# Altium PCB PCB2.PcbDoc
Units mil, origin at the board's own origin, x right, y up, seen from the top; angles counter-clockwise.
Board outline 3950 x 3950 mil, 4 copper layers (Component Side, Ground Plane, Power Plane, Solder Side), stack 33.234 mil thick; 80 components, 38 nets, 190 pads, 0 vias.
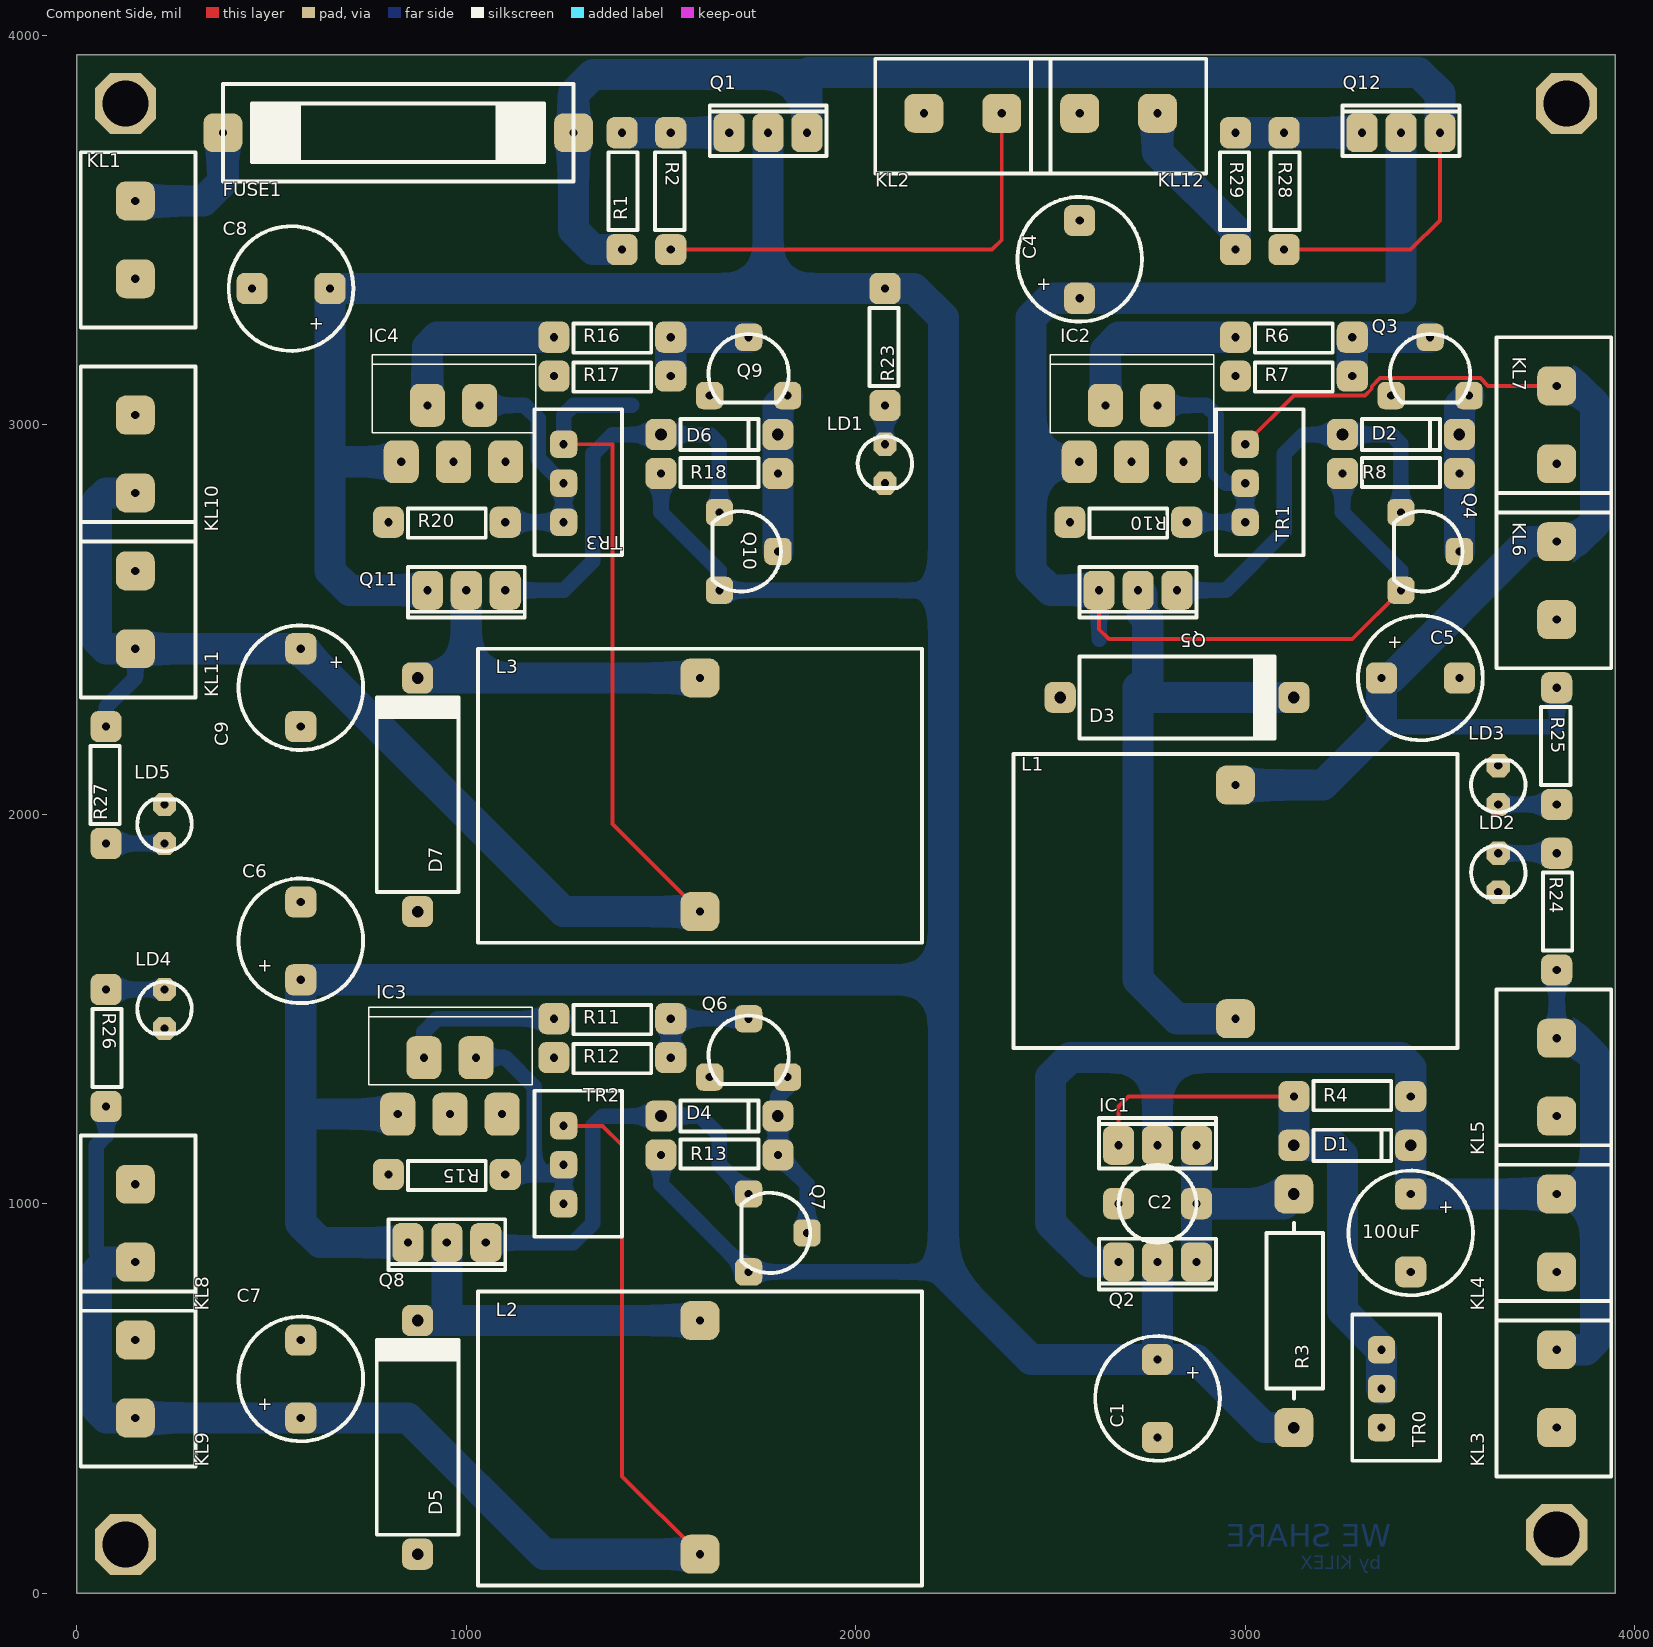
[diagram p0: Component Side view]
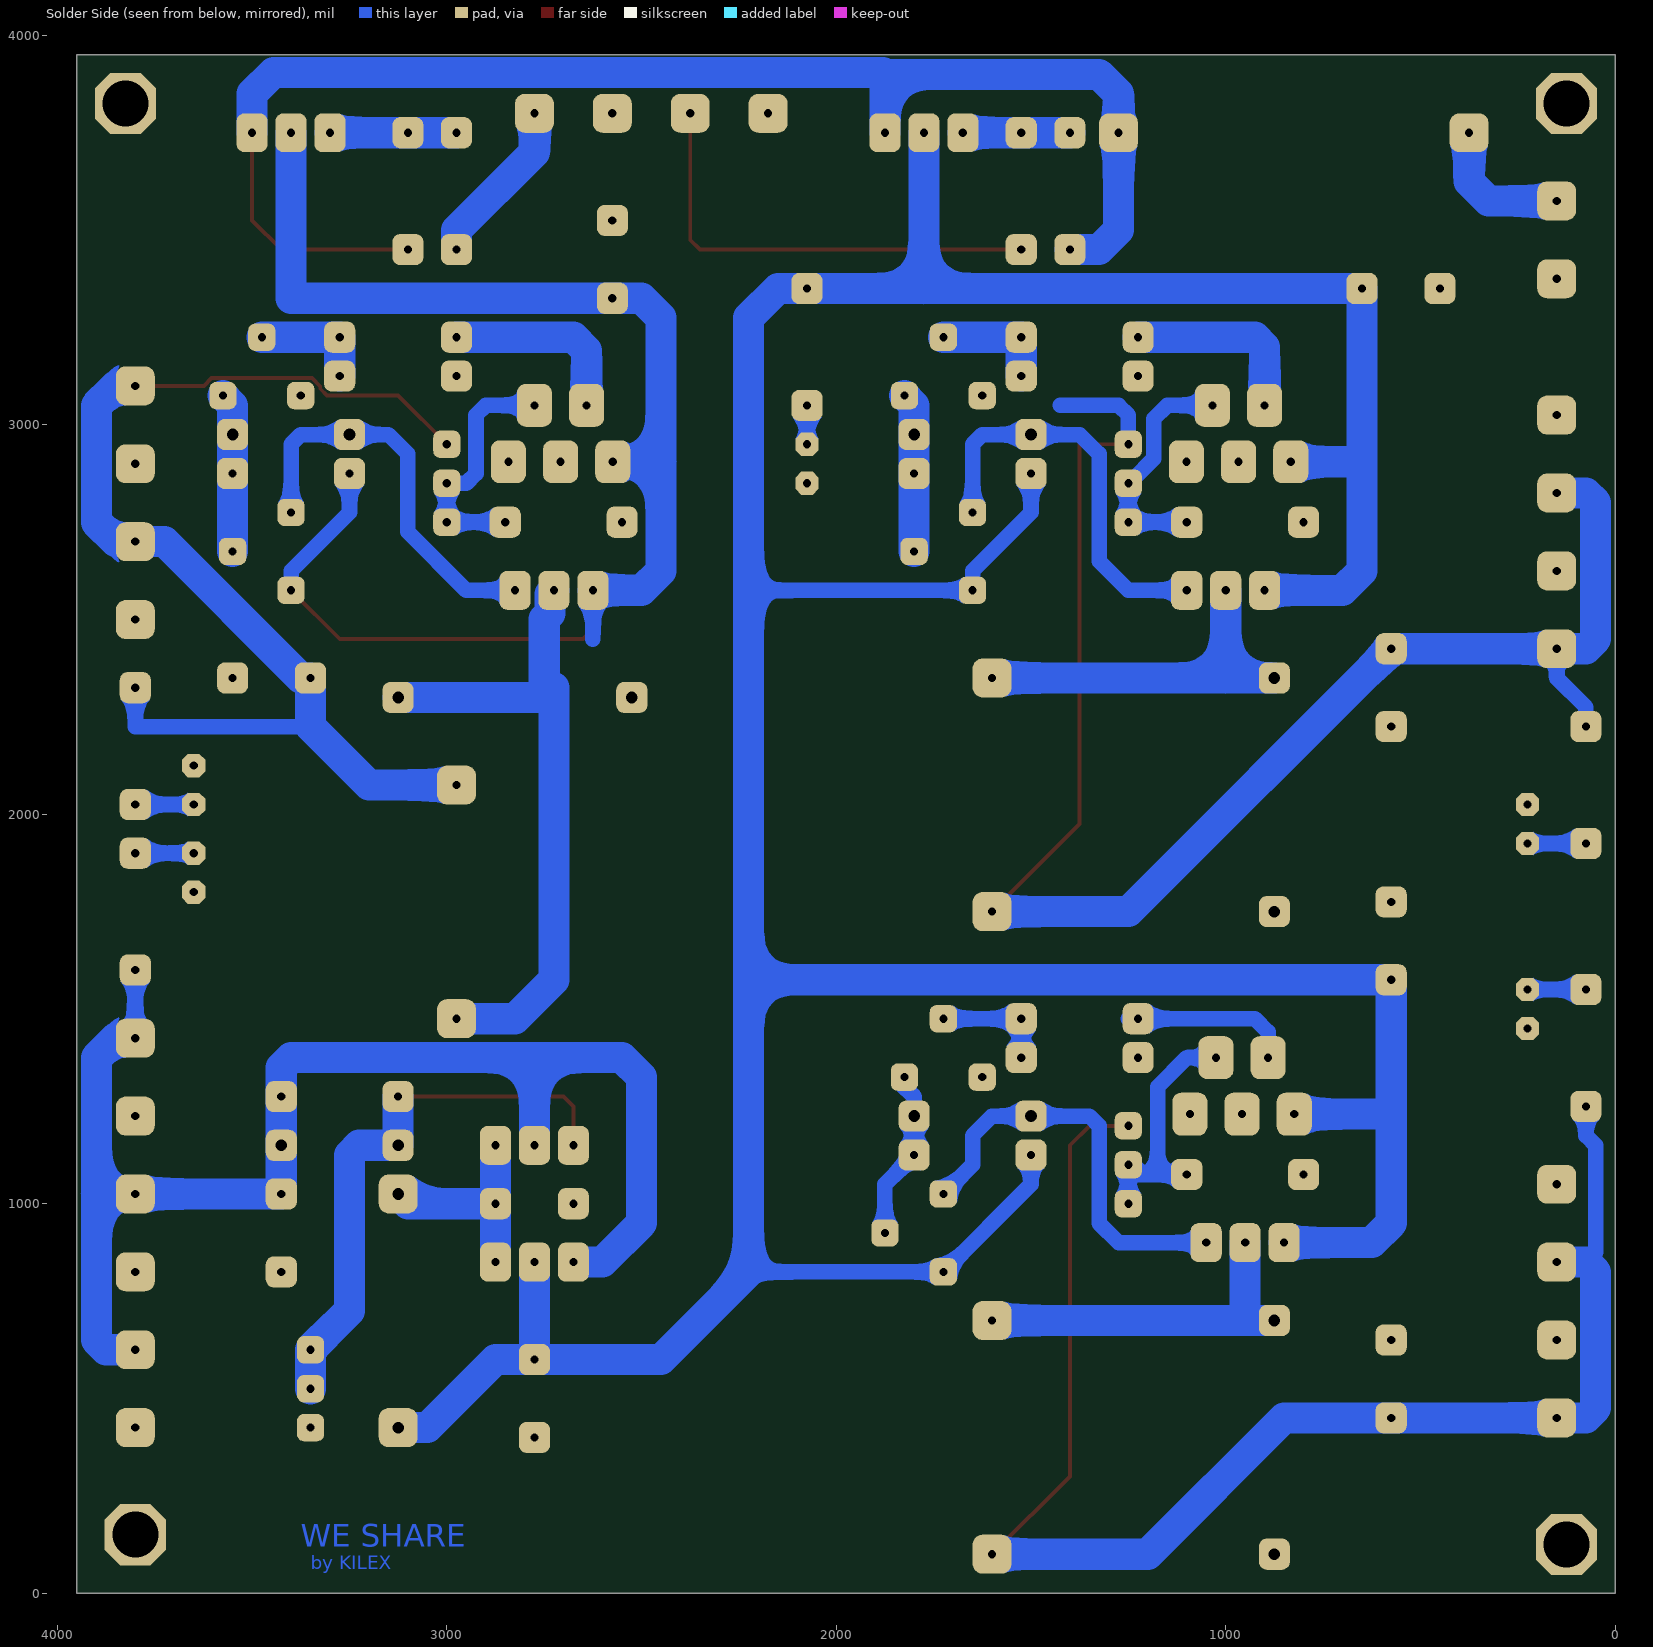
[diagram p1: Solder Side view, seen from below]
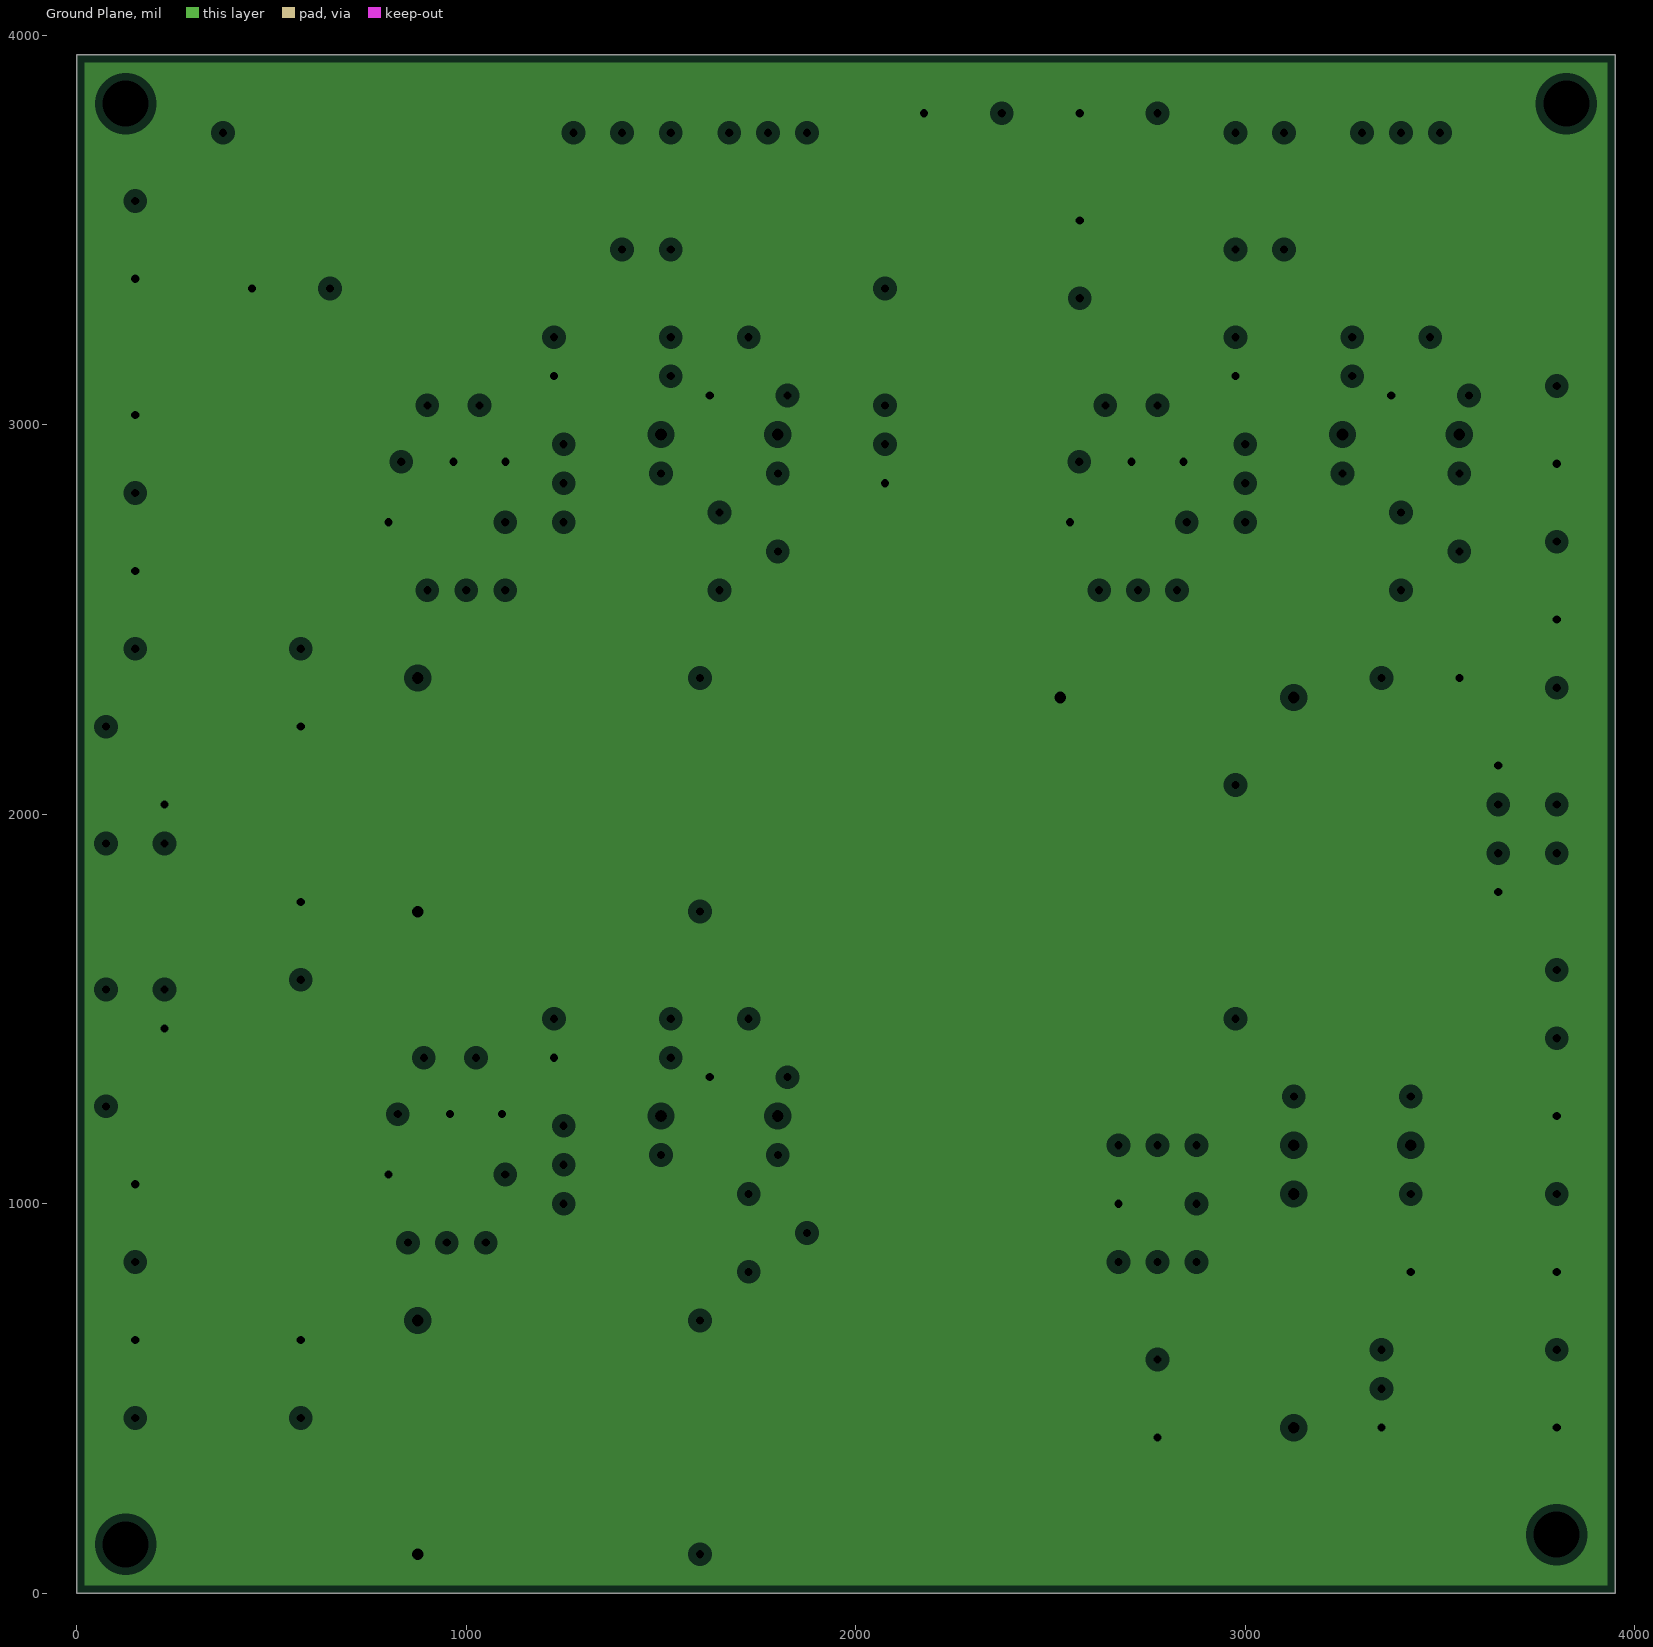
[diagram p2: Ground Plane, clearances drawn from the general rule]
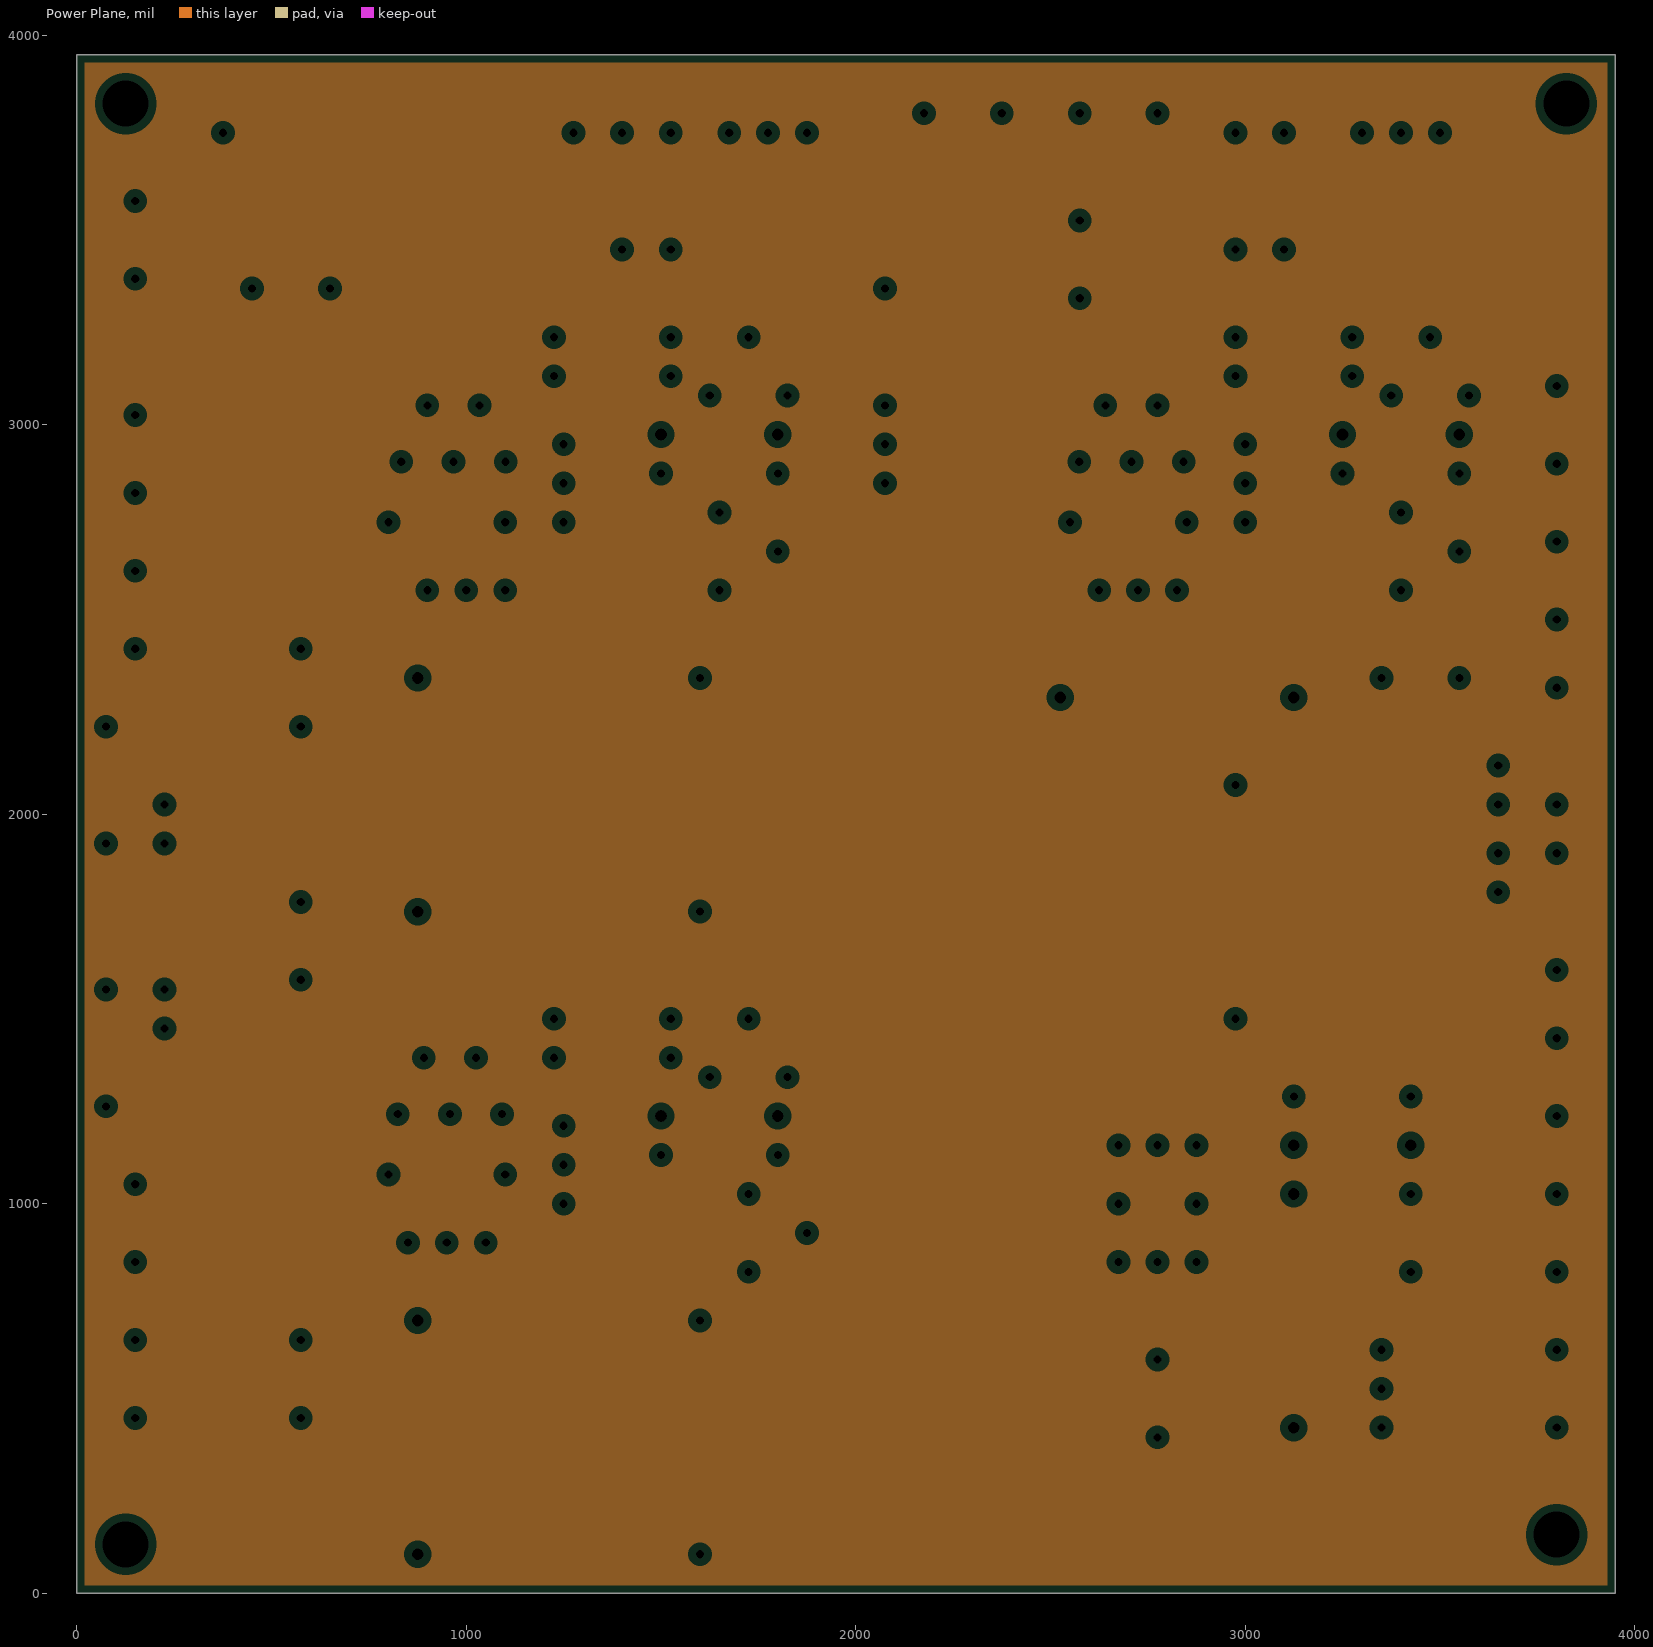
[diagram p3: Power Plane, clearances drawn from the general rule]
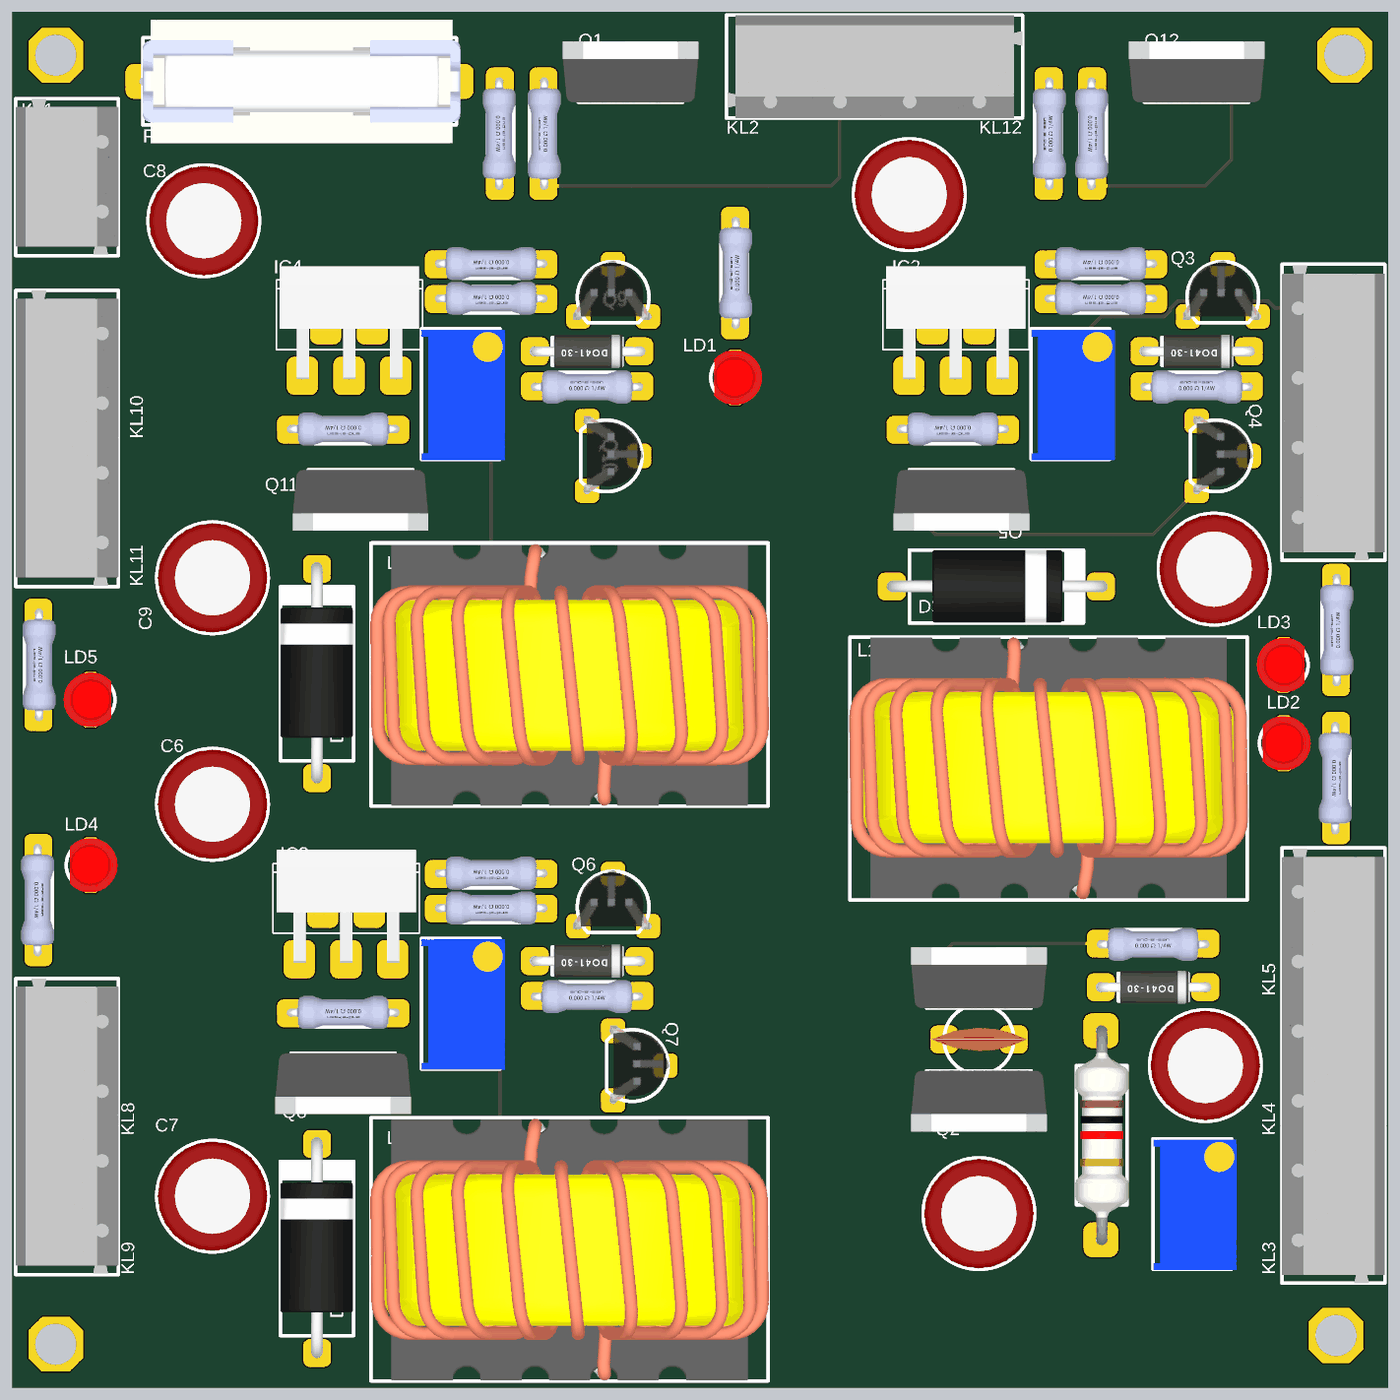
[diagram p4: 3D render of the assembled board from above, using the file's embedded part models]

## Layer stack, top to bottom
Top Solder: solder mask 0.4, Solder Resist, Dk 3.5
Component Side: signal copper 1.4
Dielectric 1: core 12.6, FR-4, Dk 4.8
Ground Plane: plane copper 1.417, net GND
Dielectric 3: prepreg 5, Dk 4.2
Power Plane: plane copper 1.417
Dielectric 4: core 10, Dk 4.2
Solder Side: signal copper 1.4
Bottom Solder: solder mask 0.4, Solder Resist, Dk 3.5

## Board outline
0,0 3950,0 3950,3950 0,3950

## Design rules (kind name [scope] priority, off if disabled: settings)
Clearance [All] p1: gap=5 ignorepadtopadclearanceinfootprint=FALSE
Height [All] p1: minheight=0 maxheight=5000 prefheight=500
PlaneClearance [All] p1: clearance=20
PlaneConnect [All] p1: planeconnectstyle=Relief reliefexpansion=20 reliefentries=4 reliefconductorwidth=20 reliefairgap=10
PolygonConnect [All] p1: connectstyle=Relief reliefconductorwidth=40 reliefentries=4 polygonreliefangle="90 Angle" airgapwidth=10
RoutingVias [All] p1: holewidth=28 width=50 viastyle="Through Hole" minholewidth=28 minwidth=50 maxholewidth=28 maxwidth=50
SolderMaskExpansion [All] p1: expansion=4
Width [All] p1: maxlimit=80 minlimit=10 preferedwidth=40 toplayer_maxwidth=10 toplayer_prefwidth=10 bottomlayer_minwidth=20 minimp=50.000000 maximp=50.000000 favimp=50.000000
27 further rules are at their usual default settings.

## Components (designator, comment, footprint, x,y, rotation, side; value= is the part's Value field where it differs from the comment)
100uF "C3" C2(elektrolit) 3425,1025 r270 top
C1 "1000uF" C2(elektrolit) 2775,600 r270 top
C2 "1uF" C1(ceramic) 2675,1000 r0 top
C4 "100uF" C2(elektrolit) 2575,3325 r90 top
C5 "100uF" C2(elektrolit) 3350,2350 r0 top
C6 "1000uF" C2(elektrolit) 575,1575 r90 top
C7 "100uF" C2(elektrolit) 575,450 r90 top
C8 "1000uF" C2(elektrolit) 650,3350 r180 top
C9 "100uF" C2(elektrolit) 575,2425 r270 top
D1 "1n4007" D1(300milsa) 3125,1150 r0 top
D2 "1n4148" D1(300milsa) 3250,2975 r0 top
D3 "SB540 5A" D2(5A) 2525,2300 r0 top
D4 "1n4148" D1(300milsa) 1500,1225 r0 top
D5 "SB540 5A" D2(5A) 875,100 r90 top
D6 "1n4148" D1(300milsa) 1500,2975 r0 top
D7 "SB540 5A" D2(5A) 875,1750 r90 top
FUSE1 "FUSE" Osigurac 375,3750 r0 top
IC1 "LM317" TO220 2675,1150 r0 top
IC2 "LM2576" LM2576 2574,2905 r0 top
IC3 "LM2576" LM2576 824,1230 r0 top
IC4 "LM2576" LM2576 833,2905 r0 top
KL1 "+15" Klema 150,3375 r90 top
KL2 "Switch" Klema 2175,3800 r0 top
KL3 "+12" Klema 3800,625 r270 top
KL4 "+12" Klema 3800,1025 r270 top
KL5 "+12" Klema 3800,1425 r270 top
KL6 "Klema" Klema 3800,2700 r270 top
KL7 "Klema" Klema 3800,3100 r270 top
KL8 "Klema" Klema 150,850 r90 top
KL9 "Klema" Klema 150,450 r90 top
KL10 "Klema" Klema 150,2825 r90 top
KL11 "Klema" Klema 150,2425 r90 top
KL12 "Switch" Klema 2575,3800 r0 top
L1 "100uH" Coil(600mils) 2975,1475 r90 top
L2 "100uH" Coil(600mils) 1600,700 r270 top
L3 "100uH" Coil(600mils) 1600,2350 r270 top
LD1 "LED" LED(3mm) 2075,2950 r270 top
LD2 "LED" LED(3mm) 3650,1900 r270 top
LD3 "LED" LED(3mm) 3650,2025 r90 top
LD4 "LED" LED(3mm) 225,1550 r270 top
LD5 "LED" LED(3mm) 225,1925 r90 top
Q1 "IRF4905" TO220 1675,3750 r0 top
Q2 "BD912" TO220 2875,850 r180 top
Q3 "BC546" TO-92 3375,3075 r0 top
Q4 "BC546" TO-92 3400,2775 r270 top
Q5 "IRF4905" TO220 2825,2575 r180 top
Q6 "BC546" TO-92 1625,1325 r0 top
Q7 "BC546" TO-92 1725,1025 r270 top
Q8 "IRF4905" TO220 1050,900 r180 top
Q9 "BC546" TO-92 1625,3075 r0 top
Q10 "BC546" TO-92 1650,2775 r270 top
Q11 "IRF4905" TO220 1100,2575 r180 top
Q12 "IRF4905" TO220 3300,3750 r0 top
R1 "10K" R1(300milsa) 1400,3750 r270 top
R2 "1K" R1(300milsa) 1525,3450 r90 top
R3 "8.2" R1(2W) 3125,1025 r270 top
R4 "220" R1(300milsa) 3125,1275 r0 top
R6 "1K" R1(300milsa) 3275,3225 r180 top
R7 "1K" R1(300milsa) 3275,3125 r180 top
R8 "1K" R1(300milsa) 3250,2875 r0 top
R10 "1K2" R1(300milsa) 2850,2750 r180 top
R11 "1K" R1(300milsa) 1525,1475 r180 top
R12 "1K" R1(300milsa) 1525,1375 r180 top
R13 "1K" R1(300milsa) 1500,1125 r0 top
R15 "1K2" R1(300milsa) 1100,1075 r180 top
R16 "1K" R1(300milsa) 1525,3225 r180 top
R17 "1K" R1(300milsa) 1525,3125 r180 top
R18 "1K" R1(300milsa) 1500,2875 r0 top
R20 "1K2" R1(300milsa) 1100,2750 r180 top
R23 "R1" R1(300milsa) 2075,3050 r90 top
R24 "R1" R1(300milsa) 3800,1900 r270 top
R25 "R1" R1(300milsa) 3800,2025 r90 top
R26 "R1" R1(300milsa) 75,1550 r270 top
R27 "R1" R1(300milsa) 75,1925 r90 top
R28 "10K" R1(300milsa) 3100,3750 r270 top
R29 "1K" R1(300milsa) 2975,3450 r90 top
TR0 "TRIM" TRIM 3350,425 r90 top
TR1 "TRIM" TRIM 3000,2750 r90 top
TR2 "TRIM" TRIM 1250,1000 r90 top
TR3 "TRIM" TRIM 1250,2750 r90 top

## Footprints (in the part's own frame and the unit in brackets; to place one, negate y for a bottom-side part, rotate by r counter-clockwise, add the part's x,y. Pads: shape width x height; smd on the part's side, far side on the other; paste and mask are expansions set on the pad)
C1(ceramic) [mil]
  rrect50% 80x80 hole 21: 1(0,0) 2(200,0)
  silkscreen extent 0,-100 200,100, body extent -37,-33 238,33, height 258
C2(elektrolit) [mil]
  rrect50% 80x80 hole 21: 1(0,0) 2(200,0)
  silkscreen extent -60,-160 260,160, body extent -57,-157 257,157, height 522
Coil(600mils) [mil]
  rrect50% 100x100 hole 21: 1(0,0) 2(600,0)
  silkscreen extent -75,-570 680,570, body extent -73,-572 680,572, height 1324
D1(300milsa) [mil]
  rrect50% 80x80 hole 30: 1(0,0) 2(300,0)
  silkscreen extent 50,-40 250,40, body extent -10,-47 318,47, height 100
D2(5A) [mil]
  rrect50% 80x80 hole 30: 1(0,0) 2(600,0)
  silkscreen extent 50,-105 550,105, body extent -14,-104 620,105, height 224
Klema [mil]
  rrect50% 100x100 hole 21: 1(0,0) 2(200,0)
  silkscreen extent -125,-155 325,140, body extent -122,-155 325,140, height 392
LED(3mm) [mil]
  oct 60x60 hole 21: 1(0,0) 2(100,0)
  silkscreen extent -20,-70 114,70, body extent -28,-60 128,77, height 212
LM2576 [mil]
  rrect50% 90x110 hole 21: 1(0,0) 2(67,145) 3(134,0) 4(201,145) 5(268,0)
  silkscreen extent -75,75 345,275, body extent -65,-10 335,315, height 850
Osigurac [mil]
  rrect50% 100x100 hole 21: 1(0,0) 2(900,0)
  silkscreen extent 0,-125 900,125, body extent 0,-177 912,177, height 492
R1(2W) [mil]
  rrect50% 100x100 hole 30: 1(0,0) 2(600,0)
  silkscreen extent 75,-70 525,75, body extent -16,-74 616,80, height 177
R1(300milsa) [mil]
  rrect50% 80x80 hole 21: 1(0,0) 2(300,0)
  silkscreen extent 50,-35 250,40, body extent -12,-49 312,45, height 95
TO220 [mil]
  rrect50% 80x100 hole 21: 1(0,0) 2(100,0) 3(200,0)
  silkscreen extent -50,-60 250,70, body extent -95,-61 295,114, height 746
TO-92 [mil]
  rrect50% 70x70 hole 21: 1(100,150) 2(200,0) 3(0,0)
  silkscreen extent -3,-18 203,158, body extent -15,-9 205,159, height 385
TRIM [mil]
  rrect50% 70x70 hole 21: 1(0,0) 2(100,0) 3(200,0)
  silkscreen extent -85,-150 290,75, body extent -88,-165 288,75, height 465

## Part data
100uF C1 C4 C5 C6 C7 C8 C9: library part C2
C2: library part C1
D1 D2 D4 D6: library part D1
D3 D5 D7: library part "Sotki Diode"
IC1: library part LM317/LM350
KL1 KL2 KL3 KL4 KL5 KL12: library part Klema
L1 L2 L3: library part Coil
Q1 Q5 Q8 Q11 Q12: library part "P-Channel MOSFET"
Q2: library part "Transistor PNP"
Q3 Q4 Q6 Q7 Q9 Q10: library part "Transistor NPN"
R1 R2 R3 R4 R6 R7 R8 R10 R11 R12 R13 R15 R16 R17 R18 R20 R28 R29: library part R1

## Free pads (board coordinates)
  oct 157.48x157.48 hole 118.11: 0(125,125) 0(125,3825) 0(3800,150) 0(3825,3825)

## Nets (pads, with @x,y where several pads share a name; then routed paths per layer and width w, separated by ;. In a path a pad name is that pad's centre, name@x,y a point inside that pad or via, vN(x,y) a via of type N, cw(c..) or ccw(c..) an arc to the next point about the centre after c; other vN are vias at no path point)
5V-NUC: C7.1 KL8.1 KL9.1 L2.2 R26.2 TR2.3 | length 3889.9
  Component Side w10: TR2.3 1350,1200 1400,1150 1400,300 L2.2
  Solder Side w40: 75,850 50,875 50,1150 75,1175 R26.2
  Solder Side w80: KL8.1 75,850 50,825 50,475 75,450 KL9.1 C7.1 850,450 1200,100 L2.2
5V-RPI: C5.1 KL6.1 KL7.1 L1.2 R25.2 TR1.3 | length 3130.9
  Component Side w10: TR1.3 3125,3075 3307.43,3075 3325,3092.57 3325,3098.89 3346.11,3120 3603.89,3120 3623.89,3100 KL7.1
  Solder Side w40: 3350,2225 3800,2225 R25.2
  Solder Side w80: L1.2 3200,2075 3350,2225 C5.1 3375,2350 3725,2700 KL6.1 3850,2700 3900,2750 3900,3050 3850,3100 KL7.1
5V-SERVO: C9.1 KL10.1 KL11.1 L3.2 R27.2 TR3.3 | length 4209.9
  Component Side w10: TR3.3 1375,2950 1375,1975 L3.2
  Solder Side w40: R27.2 75,2275 150,2350 KL11.1 ; TR3.3 1250,3025 1275,3050 1425,3050
  Solder Side w80: KL10.1 75,2825 50,2800 50,2450 75,2425 KL11.1 C9.1 1250,1750 L3.2
+12V: 100uF.1 D1.2 IC1.2 KL3.1 KL4.1 KL5.1 Q2.3 R4.2 R24.2 | length 3703.6
  Solder Side w40: KL5.1 R24.2
  Solder Side w80: Q2.3 2600,850 2500,950 2500,1325 2550,1375 2775,1375 ; IC1.2 2775,1375 ; KL3.1 3875,625 3900,650 3900,1025 ; KL5.1 3850,1425 3900,1375 3900,1025 ; 2775,1375 3400,1375 3425,1350 R4.2 D1.2 100uF.1 KL4.1 3900,1025
+15V: C1.1 C6.1 C8.1 IC3.1 IC4.1 Q1.2 Q2.2 Q7.2 Q8.3 Q10.2 Q11.3 R3.2 R13.1 R18.1 R23.2 | length 11604.6
  Solder Side w40: R13.1 1500,1050 Q7.2 2225,825 ; R18.1 1500,2775 1650,2625 Q10.2 2225,2575
  Solder Side w80: IC3.1 580,1230 575,1225 ; IC4.1 655,2905 650,2900 ; Q8.3 625,900 575,950 575,1225 ; Q11.3 700,2575 650,2625 650,2900 ; Q1.2 1775,3350 ; Q2.2 C1.1 ; R3.2 3050,425 2875,600 C1.1 ; 575,1225 C6.1 2225,1575 ; 650,2900 C8.1 1775,3350 ; 1775,3350 R23.2 2150,3350 2225,3275 2225,2575 2225,1575 ; 2225,1575 2225,825 2450,600 C1.1
+15V-RPI: C4.1 IC2.1 Q4.2 Q5.3 Q12.2 R8.1 | length 3789.7
  Component Side w10: Q5.3 2625,2475 2650,2450 3275,2450 Q4.2
  Solder Side w40: 2625,2450 Q5.3 ; R8.1 3250,2775 3400,2625 Q4.2
  Solder Side w80: IC2.1 2450,2905 ; Q5.3 2500,2575 2450,2625 2450,2905 ; Q12.2 3400,3325 C4.1 2500,3325 2450,3275 2450,2905
BAT: FUSE1.2 Q1.3 Q12.3 R1.2 R28.2 | length 3672.3
  Component Side w10: R28.2 3425,3450 3500,3525 Q12.3
  Solder Side w80: R1.2 1325,3450 1275,3500 FUSE1.2 1275,3850 1325,3900 1875,3900 ; Q1.3 1875,3900 ; Q12.3 3500,3850 3445,3905 1880,3905 1875,3900
GND: 100uF.2 C1.2 C2.1 C4.2 C5.2 C6.2 C7.2 C8.2 C9.2 D3.1 D5.1 D7.1 IC2.3 IC2.5 IC3.3 IC3.5 IC4.3 IC4.5 KL1.1 KL2.1 KL3.2 KL4.2 KL5.2 KL6.2 KL7.2 KL8.2 KL9.2 KL10.2 KL11.2 KL12.1 LD1.2 LD2.2 LD3.2 LD4.2 LD5.2 Q3.3 Q6.3 Q9.3 R7.2 R10.2 R12.2 R15.2 R17.2 R20.2 TR0.1
NetC2_2: C2.2 IC1.3 Q2.1 R3.1 | length 560.4
  Solder Side w80: Q2.1 C2.2 ; IC1.3 C2.2 ; R3.1 3100,1000 C2.2
NetD1_1: D1.1 IC1.1 R4.1 TR0.2 TR0.3 | length 1462.1
  Component Side w10: IC1.1 2675,1250 2700,1275 R4.1
  Solder Side w80: R4.1 D1.1 3225,1150 3250,1125 3250,725 TR0.3 TR0.2
NetD2_1: D2.1 Q4.3 Q5.1 | length 1043.2
  Solder Side w40: Q5.1 2950,2575 3100,2725 3100,2925 3150,2975 D2.1 3375,2975 3400,2950 Q4.3
NetD2_2: D2.2 Q3.2 Q4.1 R8.2 | length 410.4
  Solder Side w80: Q4.1 R8.2 D2.2 3550,3050 Q3.2
NetD3_2: D3.2 L1.1 Q5.2 | length 1701.8
  Solder Side w80: 2725,2325 2725,1575 2825,1475 L1.1 ; Q5.2 2735,2565 2735,2516.01 2750,2501.01 2750,2300 D3.2
NetD4_1: D4.1 Q7.3 Q8.1 | length 1082.8
  Solder Side w40: Q8.1 1275,900 1325,950 1325,1200 1350,1225 D4.1 1600,1225 1650,1175 1650,1100 Q7.3
NetD4_2: D4.2 Q6.2 Q7.1 R13.2 | length 441.4
  Solder Side w40: Q6.2 1825,1300 1800,1275 D4.2 R13.2 1875,1050 Q7.1
NetD5_2: D5.2 L2.1 Q8.2 | length 925
  Solder Side w80: D5.2 950,700 ; Q8.2 950,700 ; L2.1 950,700
NetD6_1: D6.1 Q10.3 Q11.1 | length 1062.1
  Solder Side w40: Q11.1 1250,2575 1325,2650 1325,2925 1375,2975 D6.1 1625,2975 1650,2950 Q10.3
NetD6_2: D6.2 Q9.2 Q10.1 R18.2 | length 410.4
  Solder Side w80: Q10.1 R18.2 D6.2 1800,3050 Q9.2
NetD7_2: D7.2 L3.1 Q11.2 | length 950
  Solder Side w80: D7.2 1000,2350 ; Q11.2 1000,2350 ; L3.1 1000,2350
NetFUSE1_1: FUSE1.1 KL1.2 | length 370.7
  Solder Side w80: KL1.2 325,3575 375,3625 FUSE1.1
NetIC2_2: IC2.2 R6.2 | length 489.1
  Solder Side w80: IC2.2 2641,3191 2675,3225 R6.2
NetIC2_4: IC2.4 R10.1 TR1.1 TR1.2 | length 645.7
  Solder Side w40: IC2.4 2900,3050 2925,3025 2925,2875 2950,2850 TR1.2 TR1.1 R10.1
NetIC3_2: IC3.2 R11.2 | length 439.1
  Solder Side w40: IC3.2 891,1441 925,1475 R11.2 R11.2@1250,1475
NetIC3_4: IC3.4 R15.1 TR2.1 TR2.2 | length 666.4
  Solder Side w40: IC3.4 1100,1375 1175,1300 1175,1075 ; R15.1 1175,1075 ; TR2.1 TR2.2 1225,1075 1175,1075
NetIC4_2: IC4.2 R16.2 | length 485.4
  Solder Side w80: IC4.2 900,3200 925,3225 R16.2
NetIC4_4: IC4.4 R20.1 TR3.1 TR3.2 | length 614.6
  Solder Side w40: IC4.4 1150,3050 1185,3015 1185,2912.82 1237.82,2860 1250,2860 TR3.2 TR3.1 R20.1
NetKL2_2: KL2.2 R2.1 | length 1185.4
  Component Side w10: R2.1 2350,3450 2375,3475 KL2.2
NetKL12_2: KL12.2 R29.1 | length 432.8
  Solder Side w80: KL12.2 2775,3700 2975,3500 R29.1
NetLD1_1: LD1.1 R23.1 | length 100
  Solder Side w40: LD1.1 R23.1
NetLD2_1: LD2.1 R24.1 | length 150
  Solder Side w40: LD2.1 R24.1
NetLD3_1: LD3.1 R25.1 | length 150
  Solder Side w40: LD3.1 R25.1
NetLD4_1: LD4.1 R26.1 | length 150
  Solder Side w40: R26.1 LD4.1
NetLD5_1: LD5.1 R27.1 | length 150
  Solder Side w40: R27.1 LD5.1
NetQ1_1: Q1.1 R1.1 R2.2 | length 275
  Solder Side w80: R1.1 R2.2 Q1.1
NetQ3_1: Q3.1 R6.1 R7.1 | length 300
  Solder Side w80: R7.1 R6.1 Q3.1
NetQ6_1: Q6.1 R11.1 R12.1 | length 300
  Solder Side w40: R12.1 R11.1 Q6.1
NetQ9_1: Q9.1 R16.1 R17.1 | length 300
  Solder Side w80: R17.1 R16.1 Q9.1
NetQ12_1: Q12.1 R28.1 R29.2 | length 325
  Solder Side w80: R29.2 R28.1 Q12.1

## Polygon pours and split planes (outlines as drawn)
GND on Ground Plane (split plane): 3929.9,20.1 20.1,20.1 20.1,3929.9 3929.9,3929.9
no net on Power Plane (split plane): 3929.9,20.1 20.1,20.1 20.1,3929.9 3929.9,3929.9

## Other copper
Solder Side:
  text "WE SHARE" at 3375,100 h100
  text "by KILEX" at 3350,50 h60

## Silkscreen, mask and mechanical layers (free items; w line width, h text height)
Bottom Solder:
  the board outline again, w10

## Text inside footprints (layer, text, board x,y; h text height)
100uF: Top Overlay "+" at 3490,1010 h60 r270
C1: Top Overlay "+" at 2840,585 h60 r270
C4: Top Overlay "+" at 2510,3340 h60 r90
C5: Top Overlay "+" at 3365,2415 h60
C6: Top Overlay "+" at 510,1590 h60 r90
C7: Top Overlay "+" at 510,465 h60 r90
C8: Top Overlay "+" at 635,3285 h60 r180
C9: Top Overlay "+" at 640,2410 h60 r270